# Altium PCB PCB2.PcbDoc
Units mil, origin at the board's own origin, x right, y up, seen from the top; angles counter-clockwise.
Board outline 1968.5 x 1968.5 mil, 2 copper layers (Top Layer, Bottom Layer); 57 components, 41 nets, 214 pads, 41 vias.
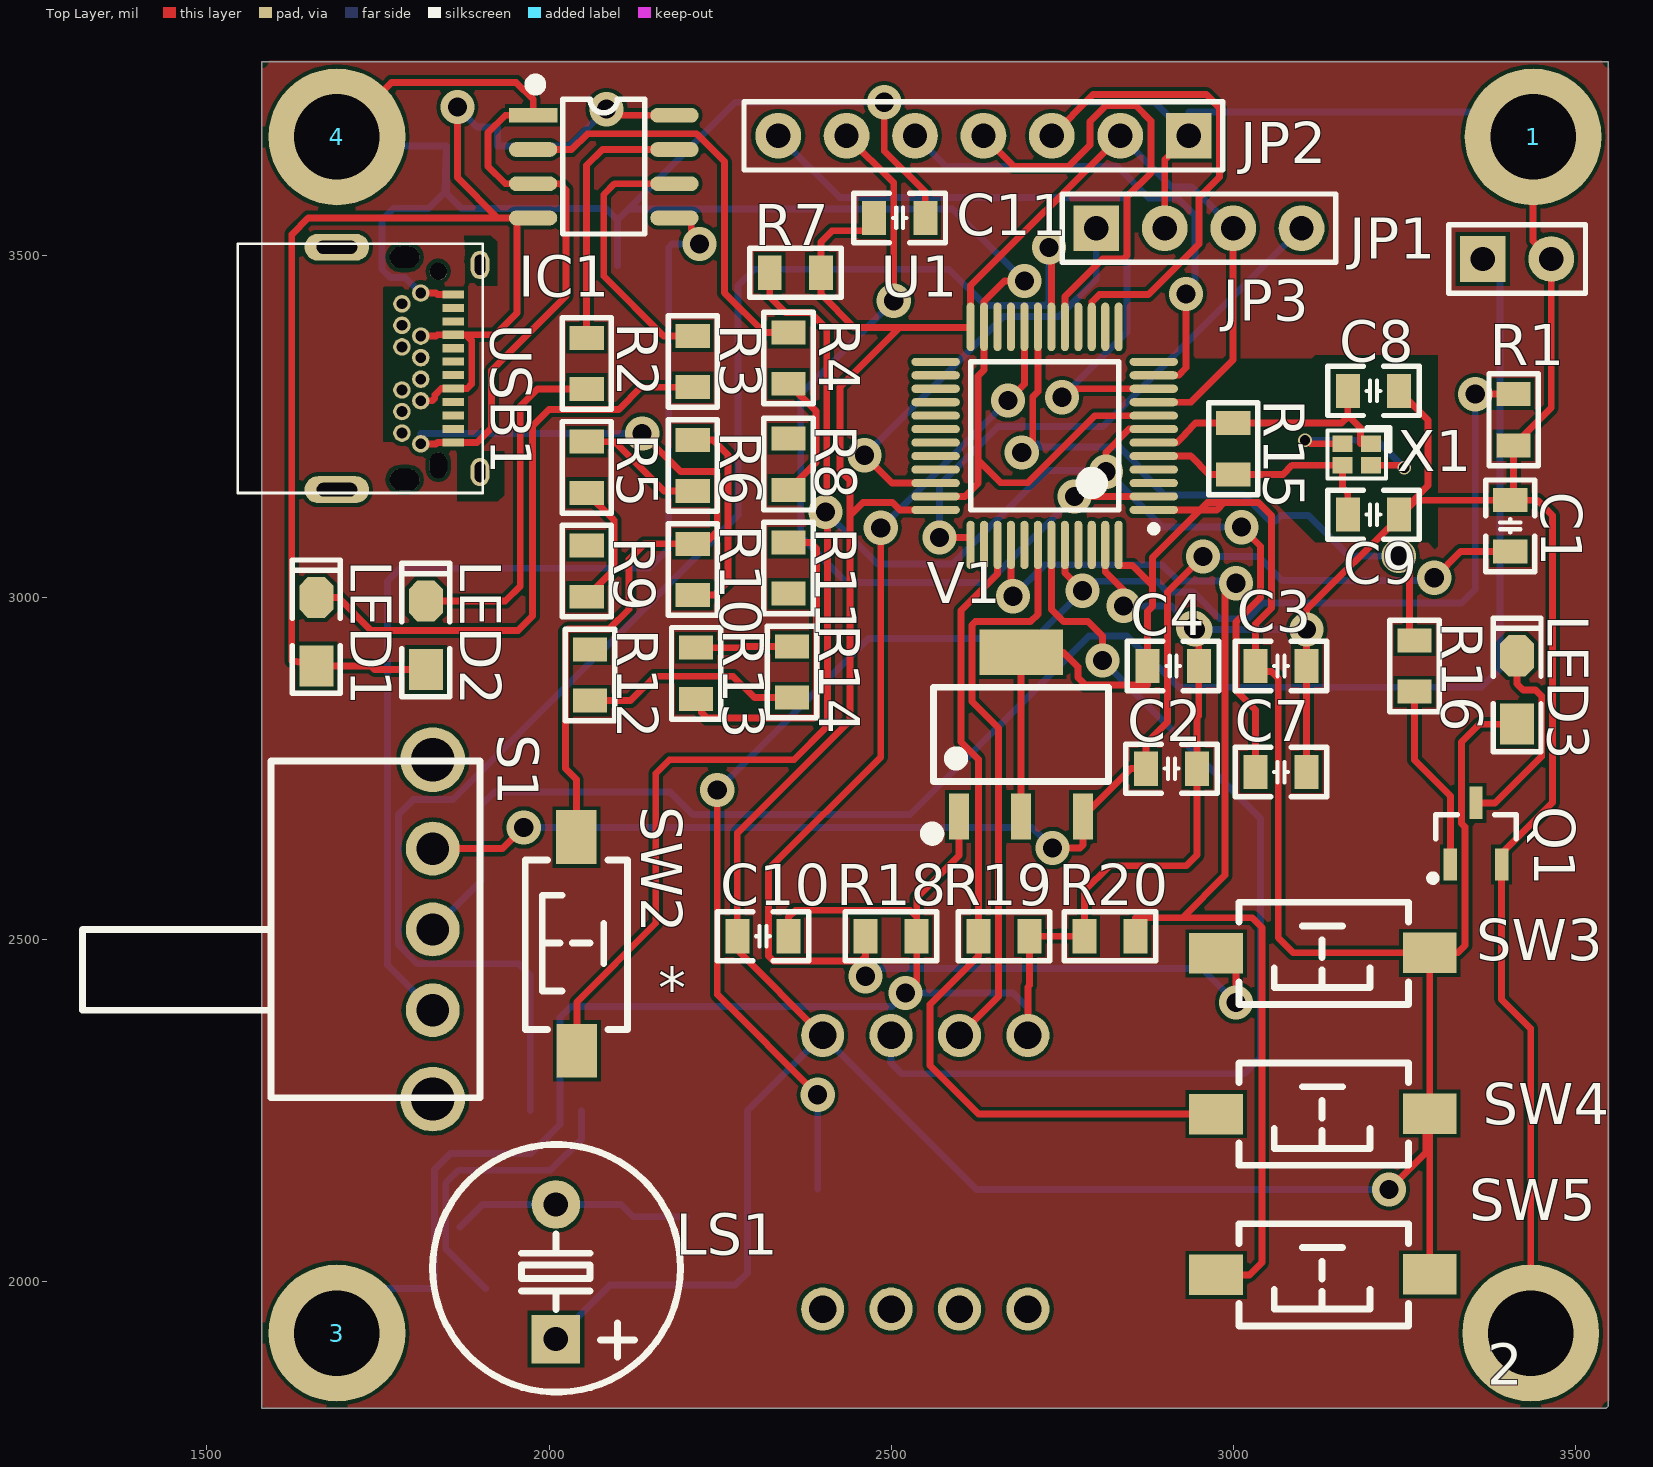
[diagram p0: Top Layer view]
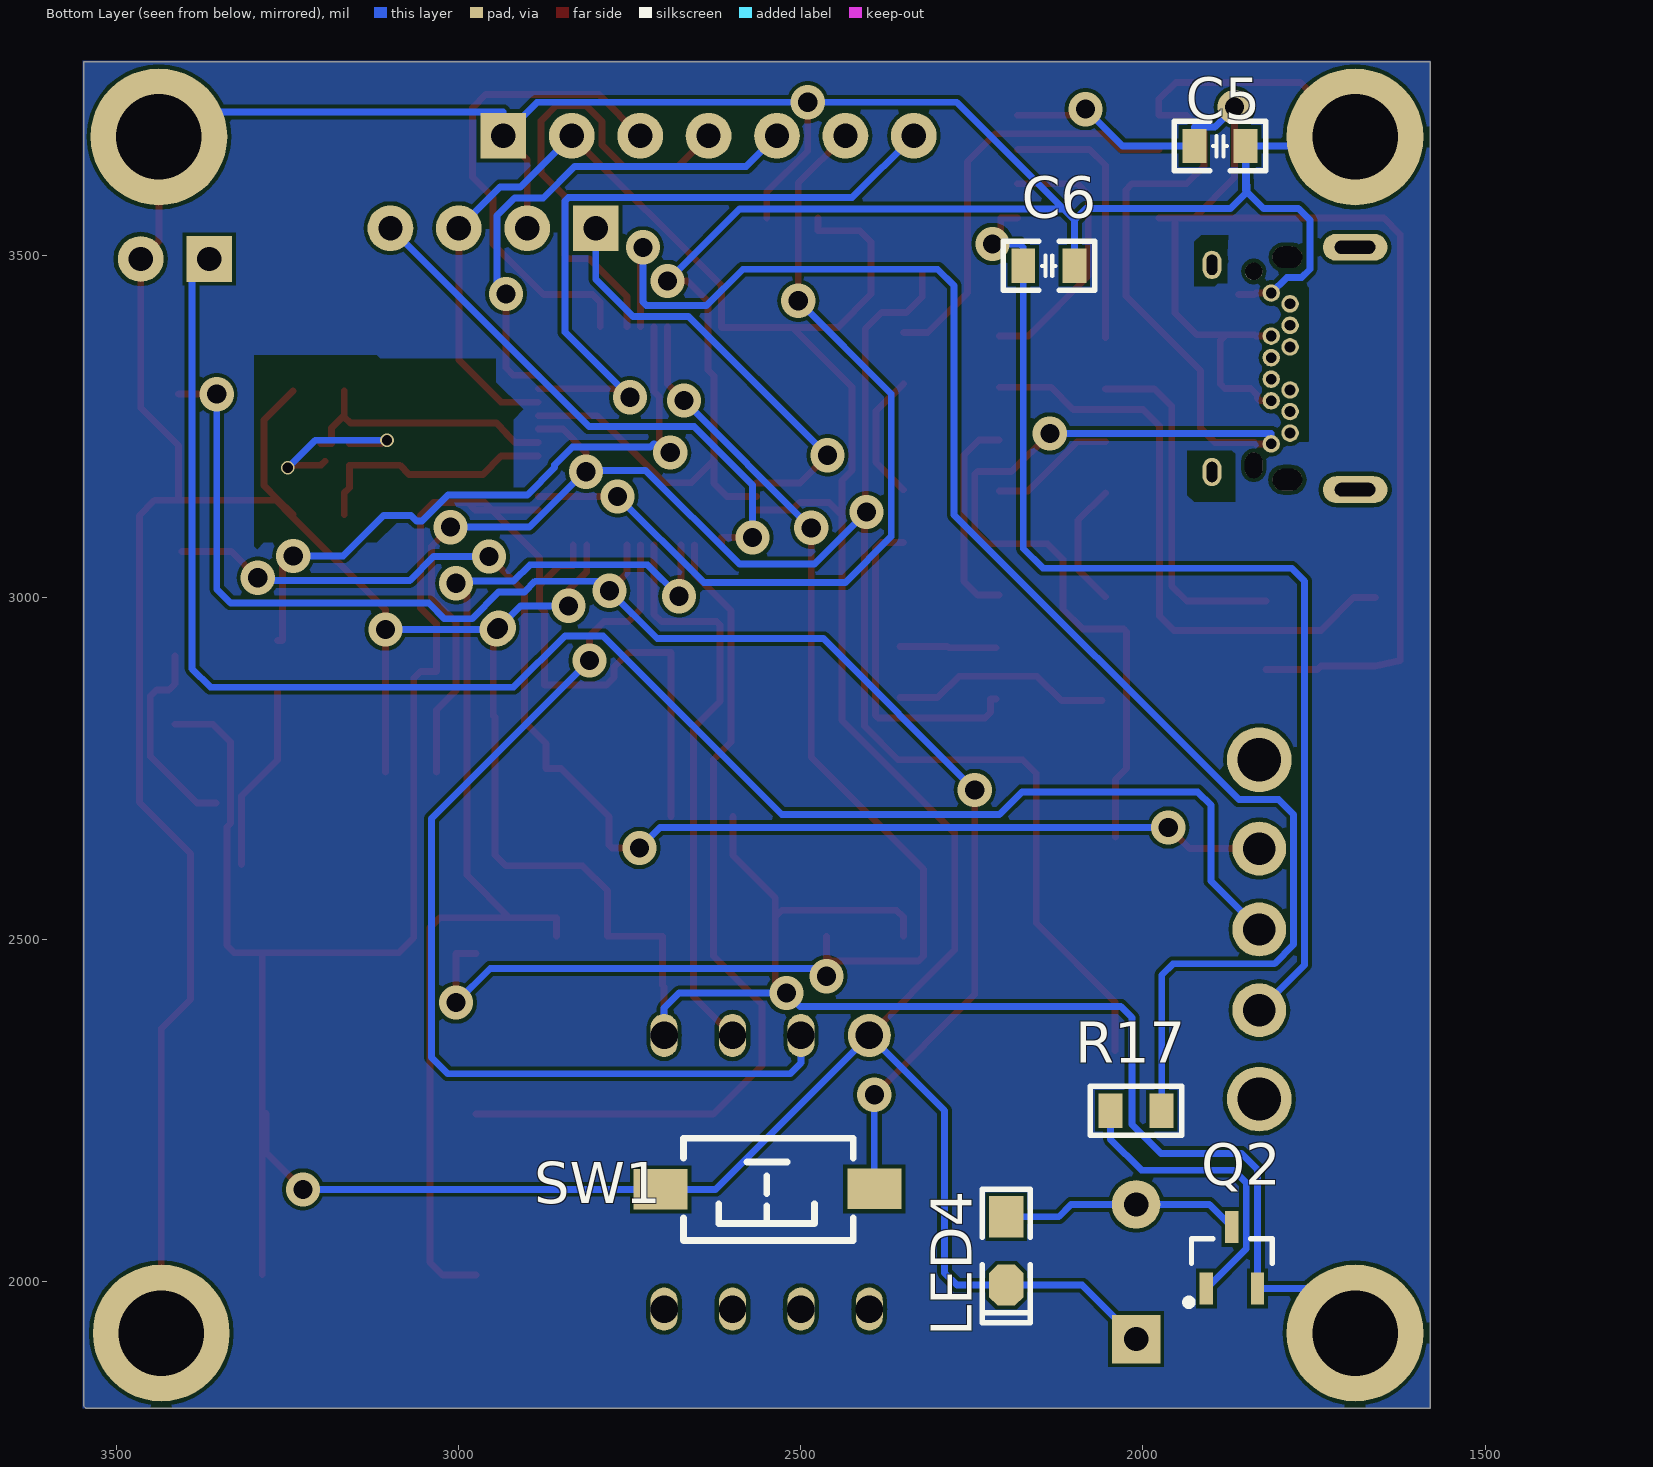
[diagram p1: Bottom Layer view, seen from below]

## Layer stack, top to bottom
Top Solder: solder mask 0.4, Solder Resist, Dk 3.5
Top Layer: signal copper 1.4
Dielectric 1: dielectric 12.6, FR-4, Dk 4.8
Bottom Layer: signal copper 1.4
Bottom Solder: solder mask 0.4, Solder Resist, Dk 3.5

## Board outline
1580,1815 3545,1815 3548.5,1818.5 3548.5,3783.5 1580,3783.5

## Design rules (kind name [scope] priority, off if disabled: settings)
Clearance [All] p1: gap=5.91 ignorepadtopadclearanceinfootprint=FALSE
PolygonConnect [All] p1: connectstyle=Relief reliefconductorwidth=10 reliefentries=4 polygonreliefangle="90 Angle" airgapwidth=10
RoutingVias [All] p1: holewidth=28 width=50 viastyle="Through Hole" minholewidth=28 minwidth=50 maxholewidth=28 maxwidth=50
SolderMaskExpansion [All] p1: expansion=4 istentingtop=FALSE
UnRoutedNet [All] p1: checkbadconnections=TRUE
Width [All] p1: maxlimit=10 minlimit=0.39 preferedwidth=10
29 further rules are at their usual default settings.

## Components (designator, comment, footprint, x,y, rotation, side; value= is the part's Value field where it differs from the comment)
1 "M3" "M3 125X200"#1 3548.5,3783.5 r90 top
2 "M3" "M3 125X200"#2 3545,1815 r90 top
3 "M3" "M3 125X200"#3 1580,1815 r90 top
4 "M3" "M3 125X200"#4 1580,3783.5 r90 top
* "MAX30102" MAX30102 2550,2160 r90 top
C1 "104" "C 0805_L" 3405,3105 r90 top
C2 "104" "C 0805_L" 2910,2750 r0 top
C3 "104" "C 0805_L" 3070,2900 r0 top
C4 "104" "C 0805_L" 2912.4,2900 r0 top
C5 "104" "C 0805_L" 1887.4,3660 r180 bottom
C6 "104" "C 0805_L" 2137.6,3485 r0 bottom
C7 "104" "C 0805_L" 3070,2745 r0 top
C8 "104" "C 0805_L" 3205,3302.2 r0 top
C9 "104" "C 0805_L" 3205,3121.29 r180 top
C10 "104" "C 0805_L" 2312.6,2505 r0 top
C11 "104" "C 0805_L" 2512.6,3555 r0 top
IC1 "TP4056" SOP8_N 2080,3630 r0 top
JP1 "HDR-1X2" HDR2.54-LI-2P 3415,3495 r0 top
JP2 "HDR-1X7" HDR2.54-LI-7P 2635,3675 r180 top
JP3 "HDR-1X4" HDR2.54-M-LI-4P 2950,3540 r0 top
LED1 "绿色" "LED 0805G" 1660,2950 r90 top
LED2 "红色" "LED 0805G" 1820,2945 r90 top
LED3 "红色" "LED 0805G" 3415,2865 r90 top
LED4 "红色" "LED 0805G" 2200,2045 r270 bottom
LS1 "DC5V" "BEEP 5x9x5.5" 2010,2014.61 r0 top
Q1 "S9014" SOT23-3N 3355,2655 r0 top
Q2 "S9014" SOT23-3N 1870,2035 r180 bottom
R1 "1K" "R 0805_L" 3410,3260 r90 top
R2 "1K" "R 0805_L" 2055,3342.4 r270 top
R3 "1K" "R 0805_L" 2210,3345 r270 top
R4 "1K" "R 0805_L" 2350,3350 r270 top
R5 "1K" "R 0805_L" 2055,3190.53 r270 top
R6 "1K" "R 0805_L" 2210,3193.13 r90 top
R7 "1K" "R 0805_L" 2360,3475 r180 top
R8 "1K" "R 0805_L" 2350,3195 r90 top
R9 "1K" "R 0805_L" 2055,3038.66 r90 top
R10 "1K" "R 0805_L" 2210,3041.26 r90 top
R11 "1K" "R 0805_L" 2350,3043.13 r90 top
R12 "1K" "R 0805_L" 2060,2886.79 r270 top
R13 "1K" "R 0805_L" 2215,2889.4 r90 top
R14 "1K" "R 0805_L" 2355,2891.26 r90 top
R15 "10M" "R 0805_L" 3000,3217.6 r270 top
R16 "10M" "R 0805_L" 3265,2900 r90 top
R17 "10M" "R 0805_L" 2010,2250 r180 bottom
R18 "10M" "R 0805_L" 2500,2505 r0 top
R19 "10M" "R 0805_L" 2665,2505 r0 top
R20 "10M" "R 0805_L" 2820,2505 r180 top
S1 "SS-12F23" SS-12F23 1830,2515 r180 top
SW1 "3x6x5" "TSW SMD-3*6*2.5" 2550,2135 r0 bottom
SW2 "3x6x5" "TSW SMD-3*6*2.5" 2040,2495 r90 top
SW3 "3x6x5" "TSW SMD-3*6*2.5" 3130,2480 r180 top
SW4 "3x6x5" "TSW SMD-3*6*2.5" 3130,2245 r180 top
SW5 "3x6x5" "TSW SMD-3*6*2.5" 3130,2010 r180 top
U1 "STM32L151C8T6" LQFP48_N 2724.45,3236.42 r180 top
USB1 "USB-C" USB-C/S_A 1720,3335 r270 top
V1 "AMS1117-3V3" SOT223_L 2690,2800 r0 top
X1 "26M" "OSC 1612-4P" 3180.67,3209.25 r180 top

## Footprints (in the part's own frame and the unit in brackets; to place one, negate y for a bottom-side part, rotate by r counter-clockwise, add the part's x,y. Pads: shape width x height; smd on the part's side, far side on the other; paste and mask are expansions set on the pad)
"BEEP 5x9x5.5" [mm] "5*9*5.5mm(脚距,直径,高度)"
  rect 1.8x1.8 hole 0.9: 1(0,-2.5)
  round 1.8 hole 0.9: 2(0,2.5)
  silkscreen extent -4.58,-4.47 4.62,4.72, body extent -4.5,-4.5 4.5,4.5, height 5.45
"C 0805_L" [mil] "无极性贴片电容"
  rect 35x50 smd: 1(-37.4,0) 2(37.4,0)
  silkscreen extent -67,-36 67,36, body extent -39,-24 39,24, height 20
HDR2.54-LI-2P [mm]
  rect 1.7x1.7 hole 0.9: 1(-1.27,0)
  round 1.7 hole 0.9: 2(1.27,0)
  silkscreen extent -2.54,-1.27 2.54,1.27, body extent -2.54,-1.27 2.54,1.27, height 8.5
HDR2.54-LI-7P [mm] "排针，8脚"
  rect 1.7x1.7 hole 0.9: 1(-7.62,0)
  round 1.7 hole 0.9: 2(-5.08,0) 3(-2.54,0) 4(0,0) 5(2.54,0) 6(5.08,0) 7(7.62,0)
  silkscreen extent -8.89,-1.27 8.89,1.27, body extent -8.89,-1.27 8.89,1.27, height 8.5
HDR2.54-M-LI-4P [mm] "排母，4脚"
  rect 1.7x1.7 hole 0.9: 1(-3.81,0)
  round 1.7 hole 0.9: 2(-1.27,0) 3(1.27,0) 4(3.81,0)
  silkscreen extent -5.08,-1.27 5.08,1.27, body extent -5.08,-1.27 5.08,1.27, height 8.5
"LED 0805G" [mil] "绿色0805LED https://item.taobao.com/item.htm?ft=t&id=613637044352"
  rect 60x50 smd: 1(-50,0)
  oct 60x50 smd: 2(50,0)
  silkscreen extent -90,-35 105,35, body extent -39,-25 39,25, height 32
LQFP48_N [mm] "Thin QFP, 48-Leads, Body 7x7mm, Pitch 0.5mm, IPC Medium Density"
  oval 1.8x0.3 smd: 1(-4.05,2.75) 2(-4.05,2.25) 3(-4.05,1.75) 4(-4.05,1.25) 5(-4.05,0.75) 6(-4.05,0.25) 7(-4.05,-0.25) 8(-4.05,-0.75) 9(-4.05,-1.25) 10(-4.05,-1.75) 11(-4.05,-2.25) 12(-4.05,-2.75) 25(4.05,-2.75) 26(4.05,-2.25) 27(4.05,-1.75) 28(4.05,-1.25) 29(4.05,-0.75) 30(4.05,-0.25) 31(4.05,0.25) 32(4.05,0.75) 33(4.05,1.25) 34(4.05,1.75) 35(4.05,2.25) 36(4.05,2.75)
  oval 0.3x1.8 smd: 13(-2.75,-4.05) 14(-2.25,-4.05) 15(-1.75,-4.05) 16(-1.25,-4.05) 17(-0.75,-4.05) 18(-0.25,-4.05) 19(0.25,-4.05) 20(0.75,-4.05) 21(1.25,-4.05) 22(1.75,-4.05) 23(2.25,-4.05) 24(2.75,-4.05) 37(2.75,4.05) 38(2.25,4.05) 39(1.75,4.05) 40(1.25,4.05) 41(0.75,4.05) 42(0.25,4.05) 43(-0.25,4.05) 44(-0.75,4.05) 45(-1.25,4.05) 46(-1.75,4.05) 47(-2.25,4.05) 48(-2.75,4.05)
  silkscreen extent -4.18,-2.75 2.75,3.57, body extent -3.5,-3.5 3.5,3.5, height 1.6
"M3 125X200"#1 [mil] "M3螺丝孔，孔125Mil，焊盘200Mil"
  round 200 hole 125: 1(-110,110)
"M3 125X200"#2 [mil] "M3螺丝孔，孔125Mil，焊盘200Mil"
  round 200 hole 125: 1(110,110)
"M3 125X200"#3 [mil] "M3螺丝孔，孔125Mil，焊盘200Mil"
  round 200 hole 125: 1(110,-110)
"M3 125X200"#4 [mil] "M3螺丝孔，孔125Mil，焊盘200Mil"
  round 200 hole 125: 1(-110,-110)
MAX30102 [mm]
  round 1.6 / inner oval 1.6x1 / far side oval 1.6x1 hole 1.02: 1(-5.08,3.81) 2(-5.08,1.27) 3(-5.08,-1.27) 4(-5.08,-3.81) 6(5.08,1.27) 7(5.08,-1.27) 8(5.08,-3.81)
  round 1.6 hole 1.02: 5(5.08,3.81)
"OSC 1612-4P" [mm] "1.6*1.2*0.35mm（长宽高）https://item.taobao.com/item.htm?ft=t&id=613637044352"
  rect 0.75x0.6 smd: 1(-0.525,-0.4) 2(0.525,-0.4) 3(0.525,0.4) 4(-0.525,0.4)
  silkscreen extent -1.22,-0.99 1.09,0.89, body extent -0.8,-0.6 0.8,0.6, height 0.35
"R 0805_L" [mil] "1/8W贴片电阻   https://item.taobao.com/item.htm?ft=t&id=613637044352"
  rect 35x50 smd: 1(-37.4,0) 2(37.4,0)
  silkscreen extent -67,-36 67,36, body extent -39,-25 39,25, height 20
SOP8_N [mm] "5*6*1.8mm（长宽高）淘宝ID:小糖豆的小窝窝"
  rect 1.8x0.55 smd: 1(-2.625,1.905)
  oval 1.8x0.55 smd: 2(-2.625,0.635) 3(-2.625,-0.635) 4(-2.625,-1.905) 5(2.625,-1.905) 6(2.625,-0.635) 7(2.625,0.635) 8(2.625,1.905)
  silkscreen extent -2.69,-2.5 1.52,3.2, body extent -3,-2.5 3,2.5, height 1.9
SOT23-3N [mm] "3x1.3x1mm(长宽高)"
  rect 0.5x1.2 smd: 1(-0.95,-1.143) 2(0.95,-1.143) 3(0,1.143)
  silkscreen extent -1.72,-1.78 1.5,0.7, body extent -1.5,-1.2 1.5,1.2, height 1.05
SOT223_L [mm] "6.4x7x1.6mm(长宽高)"
  rect 0.75x1.7 smd: 1(-2.3,-3.048) 2(0,-3.048) 3(2.3,-3.048)
  rect 3.1x1.7 smd: 2(0,3.048)
  silkscreen extent -3.5,-3.88 3.25,1.75, body extent -3.25,-3.51 3.25,3.51, height 1.65
SS-12F23 [mm] "脚距3mm"
  round 2.4 hole 1.6: 0(0,6.3) 0(0,-6.3)
  round 2 hole 1.2: 1(0,3) 2(0,0) 3(0,-3)
  silkscreen extent -1.75,-6.25 13,6.25, body extent -0.61,-6.52 12.29,6.48, height 5.75
"TSW SMD-3*6*2.5" [mm] "3*6*2.5mm"
  rect 2x1.5 smd: 1(-3.996,-0.02) 2(3.937,0)
  silkscreen extent -3.21,-1.9 3.09,1.9, body extent -4,-1.88 4,1.62, height 2.59
USB-C/S_A [mm]
  oval 1x2.4 hole 0.5 slot 1.5 at 90 deg: 0(-4.5,-0.765) 0(4.5,-0.765)
  oval 0.8x1.1 hole 0.8 slot 1.1 at 90 deg: 0(-4.13,1.75) 0(4.13,1.75)
  oval 1.05x0.7 hole 0.4 slot 0.75 at 0 deg: 0(-3.845,4.55) 0(3.845,4.55)
  rect 0.3x0.8 smd: A1(-2.75,3.56) A2(-2.25,3.56) A3(-1.75,3.56) A4(-1.25,3.56) A5(-0.75,3.56) A6(-0.25,3.56) A7(0.25,3.56) A8(0.75,3.56) A9(1.25,3.56) A10(1.75,3.56) A11(2.25,3.56) A12(2.75,3.56)
  round 0.65 hole 0.4: B1(2.8,2.35) B2(2.4,1.65) B3(1.6,1.65) B4(1.2,2.35) B5(0.8,1.65) B6(0.4,2.35) B7(-0.4,2.35) B8(-0.8,1.65) B9(-1.2,2.35) B10(-1.6,1.65) B11(-2.4,1.65) B12(-2.8,2.35)
  round 0.65 hole 0.65: N(-3.6,3)
  oval 0.95x0.65 hole 0.65 slot 0.95 at 0 deg: N(3.6,3)
  silkscreen extent -4.62,-4.45 4.62,4.65, body extent -4.62,-4.45 4.63,4.65, height 3.35

## Part data
1 2 3 4: "铜柱孔", BOM名称=铜柱孔, 下单链接=https://item.taobao.com/item.htm?ft=t&id=613637044352, 淘宝ID=小糖豆的小窝窝
C1 C2 C3 C4 C5 C6 C7 C8 C9 C10 C11: library part C, "贴片电容", BOM名称=贴片电容, 下单链接=https://item.taobao.com/item.htm?ft=t&id=613637044352, 淘宝ID=小糖豆的小窝窝
IC1: "锂电池充电管理", BOM名称=锂电池充电管理, 下单链接=https://item.taobao.com/item.htm?ft=t&id=613637044352, 淘宝ID=小糖豆的小窝窝
JP1: library part "Header 2", "2P接插件", BOM名称=2P接插件, 下单链接=https://item.taobao.com/item.htm?ft=t&id=613637044352, 淘宝ID=小糖豆的小窝窝
JP2: library part "Header 7", "7P接插件", BOM名称=7P接插件, 下单链接=https://item.taobao.com/item.htm?ft=t&id=613637044352, 淘宝ID=小糖豆的小窝窝
JP3: library part "Header 4", "4P接插件", BOM名称=4P接插件, 下单链接=https://item.taobao.com/item.htm?ft=t&id=613637044352, 淘宝ID=小糖豆的小窝窝
LED1 LED2 LED3 LED4: library part LED-SMD, "贴片LED", BOM名称=贴片LED, 下单链接=https://item.taobao.com/item.htm?ft=t&id=613637044352, 淘宝ID=小糖豆的小窝窝
LS1: library part BEEP, "有源蜂鸣器", BOM名称=有源蜂鸣器, 下单链接=https://item.taobao.com/item.htm?ft=t&id=613637044352, 淘宝ID=小糖豆的小窝窝
Q1 Q2: library part 9014-SMD, "低噪放大-NPN型", BOM名称=低噪放大-NPN型, 下单链接=https://item.taobao.com/item.htm?ft=t&id=613637044352, 淘宝ID=小糖豆的小窝窝
R1 R2 R3 R4 R5 R6 R7 R8 R9 R10 R11 R12 R13 R14 R15 R16 R17 R18 R19 R20: library part R, "贴片电阻", BOM名称=贴片电阻, 下单链接=https://item.taobao.com/item.htm?ft=t&id=613637044352, 淘宝ID=小糖豆的小窝窝
S1: library part SSW-1P, "1路波动开关", BOM名称=1路波动开关, 下单链接=https://item.taobao.com/item.htm?ft=t&id=613637044352, 淘宝ID=小糖豆的小窝窝
SW1 SW2 SW3 SW4 SW5: library part "TSW 3x6", "3x6轻触开关", BOM名称=3x6轻触开关, 下单链接=https://item.taobao.com/item.htm?ft=t&id=613637044352, 淘宝ID=小糖豆的小窝窝
U1: "STM32L ARM-based EnergyLite 32-bit MCU, 64 kB Flash, 10 kB Internal RAM, -40 to +85癈 Temperature, 48-pin LQFP, Tray", 下单链接=https://item.taobao.com/item.htm?ft=t&id=613637044352, 淘宝ID=小糖豆的小窝窝
USB1: library part USB-C/S, "USB-C型母接口", BOM名称=USB-C型母接口, 下单链接=https://item.taobao.com/item.htm?ft=t&id=613637044352, 淘宝ID=小糖豆的小窝窝
V1: library part AMS1117, "三端稳压芯片", BOM名称=三端稳压芯片, 下单链接=https://item.taobao.com/item.htm?ft=t&id=613637044352, 淘宝ID=小糖豆的小窝窝
X1: library part XTAL-4P, "4脚无源晶振", BOM名称=4脚无源晶振, 下单链接=https://item.taobao.com/item.htm?ft=t&id=613637044352, 淘宝ID=小糖豆的小窝窝

## Via types
v1: diameter 50, hole 28, Top Layer to Bottom Layer, 39 vias
v2: diameter 20, hole 15, Top Layer to Bottom Layer, 2 vias

## Nets (pads, with @x,y where several pads share a name; then routed paths per layer and width w, separated by ;. In a path a pad name is that pad's centre, name@x,y a point inside that pad or via, vN(x,y) a via of type N, cw(c..) or ccw(c..) an arc to the next point about the centre after c; other vN are vias at no path point)
3.3V: *.5 C3.1 C4.1 C10.1 C11.1 JP2.2 JP3.3 LED3.1 LED4.2 LS1.1 R7.1 SW1.2 SW3.1 SW4.1 SW5.1 U1.1 U1.9 U1.24 U1.36 U1.48 V1.2 | length 7310.7
  Top Layer w10: *.5 2275.2,2484.8 C10.1 2275.2,2656 2439.91,2820.71 2439.91,3120 ; C11.1 2475.2,3536.25 2413.65,3536.25 2397.4,3520 R7.1 2397.4,3443.5 2445.91,3395 2512,3395 ; U1.36 2513,3128.15 2502.3,3138.85 2458.76,3138.85 2439.91,3120 ; V1.2@2690,2680 2690,2920 2752,2920 2773.09,2898.91 2773.09,2883 2784,2872.09 2875,2872.09 C4.1 2875,2980 2881.99,2986.99 2881.99,3017.72 ; U1.48 2832.72,3047 2852.71,3047 2881.99,3017.72 ; JP2.2 2616.18,3456.18 U1.24 2616.18,3395 2512,3395 ; U1.1 2951.43,3128.15 ; U1.9 2938.33,3285.63 3000,3347.3 JP3.3 ; v1(3228,2135) 3282,2189 3282,2245.79 SW4.1 ; SW5.1 SW4.1 ; LED3.1 3360,2815 3334,2789 3334,2670 3339,2665 3339,2491.79 3328,2480.79 SW3.1 ; 2439.91,3120 2439.91,3170.86 2425.09,3185.67 2425.09,3308.09 2512,3395 ; 2881.99,3017.72 2881.99,3058.71 2951.43,3128.15 ; 2951.43,3128.15 2976.09,3128.15 2986.85,3138.91 ; 2951.43,3128.15 2962.19,3138.91 2986.85,3138.91 ; 2986.85,3138.91 3036.91,3138.91 3055.81,3120 3055.81,2985 3032.6,2961.78 C3.1 3032.6,2892 3056,2892 3066,2882 3066,2502.79 3088,2480.79 SW3.1 ; SW4.1 SW3.1
  Bottom Layer w10: LS1.1 2088.81,1995 LED4.2 2272,1995 2290,2013 2290,2250 *.5 2625,2135 SW1.2 v1(3228,2135) ; JP2.2 2909.72,3600.28 2939.72,3600.28 JP3.3
4v: C1.1 C2.1 S1.3 V1.3 | length 1965.8
  Top Layer w10: S1.3 1932.11,2633.11 v1(1963,2664) ; v1(2736,2634) 2776,2634 2780.55,2638.55 V1.3 2850.55,2750 C2.1 2872.6,2787 2904,2818.4 2904,3008 v1(2956,3060) ; v1(3294,3029) 3332.6,3067.6 C1.1
  Bottom Layer w10: v1(1963,2664) 2706,2664 v1(2736,2634) ; v1(2956,3060) 3036.81,3060 3071.72,3025.09 3290.09,3025.09 v1(3294,3029)
bat+: C6.2 IC1.5 S1.1 | length 1640.3
  Top Layer w10: IC1.5 2208,3555 2208,3529 v1(2220,3517)
  Bottom Layer w10: S1.1 1763.82,2463.07 1763.82,3024 1782.82,3043 2146,3043 2175,3072 C6.2 2175,3512 2180,3517 v1(2220,3517)
BEEP: R17.2 U1.18 | length 2298.7
  Top Layer w10: v1(2731,3512) 2734.29,3508.71 U1.18
  Bottom Layer w10: R17.2 1972.6,2448 1955.88,2464.72 1808,2464.72 1779.72,2493 1779.72,2683 1801.61,2704.88 1859.88,2704.88 2276,3121 2276,3456 2300,3480 2585,3480 2638,3427 2726,3427 2731,3432 v1(2731,3512)
BUTTON0: R18.1 SW3.2 U1.20 | length 1948.3
  Top Layer w10: v1(2462.6,2446.5) 2462.6,2475.6 ; R18.1 2462.6,2475.6 ; v1(2485,3102) 2485,2767 2321,2603 2321,2476 2328,2469 2456,2469 2462.6,2475.6 ; v1(2670.92,3288) 2694.92,3312 U1.20 ; SW3.2 3004,2480 v1(3004,2408)
  Bottom Layer w10: v1(2462.6,2446.5) 2474,2457.91 2954.09,2457.91 v1(3004,2408) ; v1(2485,3102) 2670.92,3287.92 v1(2670.92,3288)
BUTTON1: R19.1 SW4.2 U1.39 | length 1270.3
  Top Layer w10: U1.39 2655.55,3034.55 2602.16,2981.16 2602.16,2789.16 2627.6,2763.73 R19.1 2627.6,2476.19 2557,2405.6 2557,2316 2628,2245 SW4.2
BUTTON2: R20.1 SW5.2 U1.40 | length 1735.5
  Top Layer w10: U1.40 2675.24,3004.76 v1(2678,3002) ; R20.1 2857.4,2532 2926,2532 ; SW5.2 3024,2010 3042,2028 3042,2518 3028,2532 2926,2532 ; v1(3004,3021) 2988.28,3005.28 2988.28,2594.28 2926,2532
  Bottom Layer w10: v1(2678,3002) 2724,3048 2896.19,3048 2920.09,3024.09 3000.91,3024.09 v1(3004,3021)
GND: 1.1 2.1 3.1 4.1 *.8 C1.2 C2.2 C3.2 C4.2 C5.2 C6.1 C7.2 C8.2 C9.1 C10.2 C11.2 IC1.1 IC1.3 JP1.2 JP2.1 JP3.2 Q1.2 Q2.2 R1.1 R10.2 R18.2 R19.2 R20.2 SW2.2 U1.8 U1.23 U1.35 U1.47 USB1.A1 USB1.A12 USB1.B1 USB1.B12 V1.1 | length 12273.1
  Top Layer w10: 4.1 1769.5,3753 1952,3753 1977,3728 1977,3705 IC1.1 1936,3705 1911,3680 1911,3630 1936,3605 IC1.3 2016,3605 2025,3596 2025,3441 1916,3332 1916,3248 1894.73,3226.73 USB1.A12 1836.97,3226.73 1835,3224.76 USB1.B1 ; USB1.B12 1835,3445.24 1836.97,3443.27 USB1.A1 ; SW2.2 2040,2734 2024,2750 2024,2950 2028,2954 2088,2954 2117,2983 2117,3056 2139.66,3078.66 R10.2 2227,3078.66 2245.91,3097.57 2245.91,3180 2241.78,3184.13 2192,3184.13 v1(2136.13,3240) ; C10.2 2350,2533 2360,2543 2528,2543 2537.4,2533.6 ; v1(2490,3724) 2490,3653 2550,3593 C11.2 ; v1(2521,2422) 2537.4,2438.4 R18.2 2537.4,2533.6 ; U1.35 2608,3147.83 2627.02,3166.85 2627.02,3200.82 ; V1.1 2599.45,2623.05 2537.4,2561 2537.4,2533.6 ; v1(2695,3463) 2666,3463 2635.87,3432.87 U1.23 2635.87,3332.76 2627.02,3323.91 2627.02,3200.82 ; *.8 2700,2431 2702.4,2433.4 R19.2 2742,2505 R20.2 2782.6,2571.6 2819,2608 2931.4,2608 2947.4,2624 C2.2 2947.4,2825.41 2949.8,2827.81 C4.2 2949.8,2948 v1(2944.62,2953.19) v1(2941.8,2956) ; U1.47 2813.03,3037.91 2839.8,3011.13 v1(2839.8,2988) ; U1.8 2797.94,3265.94 2700,3168 2659.83,3168 2627.02,3200.82 ; JP3.2 2900,3640 JP2.1 ; C7.2 C3.2 v1(3107.4,2953.19) 3107.4,2982.4 C9.1@3244.35,3119.35 ; C8.2 3285,3259.6 3285,3163.89 3265.45,3144.34 C9.1 C9.1@3244.35,3119.35 ; 2.1 3435,2370 3392.4,2412.6 Q1.2 3392.4,2626 3467,2700.6 3467,3120 3444.6,3142.4 C1.2@3410,3142.4 ; 1.1 3438.5,3521.5 JP1.2 3465,3277.59 R1.1 C1.2@3410,3142.4 ; C9.1@3244.35,3119.35 3267.4,3142.4 C1.2 C1.2@3410,3142.4
  Bottom Layer w10: 3.1 1755,1990 Q2.2 1832.6,2164.2 1856,2187.6 1973.6,2187.6 2016,2230 2016,2386 2032.4,2402.4 2501.4,2402.4 v1(2521,2422) 2678,2422 2700,2400 *.8 ; 4.1 1703.5,3660 C5.2 ; USB1.B1 1812.52,3240 v1(2136.13,3240) ; USB1.B12 1789.76,3468 1768,3468 1756,3480 1756,3552 1773,3569 1824,3569 1848,3593 ; C6.1 2100.2,3552 ; v1(2695,3463) 2590,3568 2116.2,3568 ; v1(2839.8,2988) 2909.8,2988 v1(2941.8,2956) ; v1(2944.62,2953.19) v1(3107.4,2953.19) ; 1.1 3402.01,3710 2935,3710 JP2.1 2886,3724 v1(2490,3724) 2272.2,3724 2116.2,3568 ; 1848,3593 1850,3595 C5.2 ; 1848,3593 1872,3569 2083.2,3569 2100.2,3552 ; 1848,3593 C5.2 ; 2100.2,3552 2116.2,3568
iic_scl: *.7 U1.42 | length 844.1
  Top Layer w10: *.7 2657,2417 2657,2809.07 2618.07,2848 2618.07,2960 2623.07,2965 2704,2965 2714.61,2975.61 U1.42
iic_sda: *.6 U1.43 | length 1493.3
  Top Layer w10: U1.43 2734.29,2982.71 2752,2965 2788,2965 2809,2944 v1(2809,2908)
  Bottom Layer w10: *.6 2500,2320 2516,2304 3016,2304 3040,2328 3040,2677 v1(2809,2908)
LED0: R16.2 U1.19 | length 964.2
  Top Layer w10: v1(2691,3212) 2707,3228 2707,3293.39 2714.61,3301 U1.19 ; v1(3242,3061) 3258,3045 3258,2937.4 R16.2
  Bottom Layer w10: v1(2691,3212) 2701.82,3212 2714.82,3225 2719.82,3220 2834.14,3220 2860,3194.14 2860,3190 2900,3150 3015.78,3150 3053.75,3112.03 3062.03,3112.03 3070,3120 3110,3120 3169,3061 v1(3242,3061)
NetC8_1: C8.1 R15.1 U1.6 X1.1 | length 402.3
  Top Layer w10: U1.6 2884.24,3226.92 2917.86,3226.92 2930.24,3239.3 2930.24,3240.24 2945,3255 R15.1 3158.6,3255 3167.6,3264 3167.6,3266.4 ; C8.1 3167.6,3266.4 ; X1.1 3186,3225 3186,3248 3167.6,3266.4
NetC9_2: C9.2 R15.2 U1.5 X1.3 | length 368
  Top Layer w10: U1.5 2938.11,3206.89 2964.8,3180.2 R15.2 3073,3180.2 3086.31,3193.5 X1.3 3160,3160.6 3167.6,3153 C9.2
NetIC1_2: IC1.2 R4.1 | length 615.7
  Top Layer w10: IC1.2 2033,3655 2056,3678 2216,3678 2256.41,3637.59 2256.41,3445.59 2314.6,3387.4 R4.1
NetIC1_6: IC1.6 R3.1 | length 395.3
  Top Layer w10: IC1.6 2096,3605 2080,3589 2080,3470 2167.6,3382.4 R3.1
NetIC1_7: IC1.7 R2.1 | length 390.1
  Top Layer w10: R2.1 2055,3632 2078,3655 IC1.7
NetJP1_1: JP1.1 S1.2 | length 2496.3
  Bottom Layer w10: S1.2 1900.63,2585.63 1900.63,2696.63 1920,2716 2177,2716 2210,2683 2528,2683 2789,2944 2845,2944 2920,2869 3363,2869 3390,2896 3390,3495 JP1.1
NetLED1_2: LED1.2 R3.2 | length 880
  Top Layer w10: LED1.2 1692,3000 1740,2952 1955,2952 1976,2973 1976,3251 2000,3275 2102,3275 2134.6,3307.6 R3.2
NetLED2_2: LED2.2 R2.2 | length 517.5
  Top Layer w10: LED2.2 1936,2995 1958,3017 1958,3280 1983,3305 R2.2
NetLED3_2: LED3.2 Q1.3 | length 296.6
  Top Layer w10: Q1.3 3383,2700 3451,2768 3451,2856 3442,2865 3424,2865 3415,2874 LED3.2
NetLED4_1: LED4.1 LS1.2 Q2.3 | length 351.2
  Bottom Layer w10: Q2.3 1903.04,2113.04 LS1.2 2105,2113.04 2123.04,2095 LED4.1
NetQ1_1: Q1.1 R16.1 | length 274.4
  Top Layer w10: R16.1 3265,2762.59 3317.6,2710 Q1.1
NetQ2_1: Q2.1 R17.1 | length 445.1
  Bottom Layer w10: Q2.1 1849,2048.4 1849,2144 1868,2163 2002.4,2163 2047.4,2208 R17.1
NetR1_2: R1.2 SW1.1 U1.44 | length 2337.5
  Top Layer w10: v1(2246,2719) 2246,2420 v1(2392.69,2273.31) ; U1.44 2753.98,3036.02 v1(2780,3010) ; v1(3354,3297.4) R1.2
  Bottom Layer w10: v1(2246,2719) 2467,2940 2710,2940 v1(2780,3010) 2794,3024 2888.38,3024 2904.19,3008.19 2941.81,3008.19 2980.91,2969.09 3020.77,2969.09 3044,2992.32 3333.49,2992.32 3354,3012.83 v1(3354,3297.4) ; SW1.1 v1(2392.69,2273.31)
NetR4_2: R4.2 R8.1 | length 188.1
  Top Layer w10: R8.1 2390,3197.59 2390,3272.6 R4.2
NetR5_1: R5.1 R6.1 | length 184.9
  Top Layer w10: R5.1 2096,3227.94 2168.21,3155.73 R6.1
NetR5_2: R5.2 R9.1 | length 185
  Top Layer w10: R9.1 2095,3041.25 2095,3113.13 R5.2
NetR6_2: R6.2 R10.1 | length 305.8
  Top Layer w10: R10.1 2241.86,3003.86 2261.82,3023.82 2261.82,3208.71 2240,3230.53 R6.2
NetR11_2: R11.2 R13.1 | length 489.5
  Top Layer w10: R13.1 2223,2851.99 2223,2832 2231,2824 2387,2824 2391,2828 2391,3072 2382.47,3080.53 R11.2
NetR12_2: R12.2 R14.1 | length 322.7
  Top Layer w10: R12.2 2119,2849.4 2154.6,2885 2269,2885 2300.14,2853.86 R14.1
NetR13_2: R13.2 R14.2 | length 140.8
  Top Layer w10: R13.2 2284,2926.79 2285.87,2928.66 R14.2
NetX1_2: X1.2 X1.4 | length 277
  Top Layer w10: v2(3105,3230) 3107.71,3230 3112.71,3225 X1.2 ; X1.4@3195.51,3199.33 X1.4 3243.79,3193.5 3247.29,3190 v2(3250,3190)
  Bottom Layer w10: v2(3105,3230) 3210,3230 v2(3250,3190)
OLED_RES: JP2.5 U1.11 | length 737.3
  Top Layer w10: U1.11 2920,3325 2931,3336 v1(2931,3444)
  Bottom Layer w10: JP2.5 2580,3630 2831,3630 2876.63,3584.37 2918.38,3584.37 2944.37,3558.38 2944.37,3457.37 v1(2931,3444)
res: C7.1 R7.2 SW2.1 U1.7 | length 2693.2
  Top Layer w10: SW2.1 2040.79,2409 2156,2524.21 2156,2743 2176,2763 2358,2763 2407,2812 2407,3122 v1(2404,3125) 2406,3127 2406,3393 2382,3417 2345.6,3417 2322.6,3440 R7.2 ; v1(2814,3184.09) 2814,3212.26 2848,3246.26 U1.7 ; v1(3012,3103) 3039.91,3075.09 3039.91,3000 3004.19,2964.28 3004.19,2864 3032.6,2835.59 C7.1
  Bottom Layer w10: v1(2404,3125) 2480,3049 2590,3049 2727,3186 2795.91,3186 2797.81,3184.09 v1(2814,3184.09) ; v1@2814,3186 2897,3103 v1(3012,3103)
SPI_CLK: JP2.3 U1.15 | length 717.4
  Top Layer w10: JP2.3 2795.28,3735.28 2960.72,3735.28 2980,3716 2980,3615 2950,3585 2950,3517 2876,3443 2804.35,3443 2793.35,3432 U1.15
SPI_CS: JP2.7 U1.10 | length 1014.7
  Top Layer w10: v1(2750,3293) 2762.32,3305.32 U1.10
  Bottom Layer w10: JP2.7 2425,3585 2840,3585 2845,3580 2845,3388 v1(2750,3293)
SPI_DC: JP2.6 U1.2 | length 1266.8
  Top Layer w10: JP2.6 2504,3606 v1(2504,3434) ; v1(2768,3148) 2768.17,3147.83 U1.2
  Bottom Layer w10: v1(2504,3434) 2368,3298 2368,3089 2435,3022 2642,3022 v1(2768,3148)
SPI_MOSI: JP2.4 U1.17 | length 701.6
  Top Layer w10: JP2.4 2680,3630 2759,3630 2790.63,3661.63 2790.63,3696 2814,3719.37 2857.63,3719.37 2880,3697 2880,3621 2845,3586 2845,3500 2840.44,3495.44 2809.44,3495.44 2753.98,3439.98 U1.17
SWDCLK: JP3.4 U1.37 | length 817.8
  Top Layer w10: v1(2570.83,3088) 2616.18,3088 U1.37
  Bottom Layer w10: v1(2570.83,3088) 2570.83,3164.83 2656,3250 2810,3250 JP3.4
SWDIO: JP3.1 U1.34 | length 640.8
  Top Layer w10: v1(2461,3208) 2501.48,3167.52 U1.34
  Bottom Layer w10: v1(2461,3208) 2664.09,3411.09 2745.3,3411.09 2800,3465.79 JP3.1
vin: C5.1 IC1.4 IC1.8 LED1.1 LED2.1 USB1.A4 USB1.A8 USB1.B4 USB1.B9 | length 2213.2
  Top Layer w10: USB1.B4 1828.76,3287.76 1833,3292 1833,3296 1842.47,3305.47 USB1.A8 1880.47,3305.47 1887,3312 1887,3376 1878.79,3384.21 ; USB1.B9 1835,3382.24 1836.97,3384.21 USB1.A4 1878.79,3384.21 ; LED2.1 1745,2895 1740,2900 LED1.1 1624,2908 1624,3531 1648,3555 1925,3555 ; v1(1866,3717) 1866,3614 1925,3555 ; IC1.4 IC1.4@1953,3555 ; v1(2084,3714) 2084,3709 2088,3705 IC1.8 ; 1878.79,3384.21 1921,3384.21 1953,3416.21 IC1.4@1953,3555 ; 1925,3555 IC1.4@1953,3555
  Bottom Layer w10: v1(1866,3717) 1895,3688 1924.8,3688 C5.1 2030,3660 v1(2084,3714)
pads on no net: *.1 *.2 *.3 *.4 R8.2 R9.2 R11.1 R12.1 S1.0 U1.3 U1.4 U1.12 U1.13 U1.14 U1.16 U1.21 U1.22 U1.25 U1.26 U1.27 U1.28 U1.29 U1.30 U1.31 U1.32 U1.33 U1.38 U1.41 U1.45 U1.46 USB1.0 USB1.A2 USB1.A3 USB1.A5 USB1.A6 USB1.A7 USB1.A9 USB1.A10 USB1.A11 USB1.B2 USB1.B3 USB1.B5 USB1.B6 USB1.B7 USB1.B8 USB1.B10 USB1.B11 USB1.N

## Polygon pours and split planes (outlines as drawn)
no net on Top Layer "NONET_L01_P001" (solid, pour order 1): 1580,3785 1580,1820 1585,1815 3550,1815 3550,3785
no net on Bottom Layer "NONET_L02_P000" (solid, pour order 0): 1580,3785 1580,1815 3550,1815 3550,3785

## Other copper
Top Layer:
  pour cut-out: 1884.3,3499.41 1887.78,3502.89 1887.78,3504.62 1889.51,3504.62 1892.99,3508.1 1905.28,3508.1
Multi-Layer:
  pour cut-out: 3120,3355 3115,3350 2945,3350 2945,3315 2905,3275 2920,3260 2920,3147.83 3052.17,3147.83 3120,3080 3125,3080 3125,3345 3135,3355
  pour cut-out: 3120,3350 3125,3345 3125,3080 3285,3080 3295,3070 3300,3075 3300,3355 3120,3355
  pour cut-out: 1789.39,3446.84 1789.39,3451.22 1786.1,3454.51 1786.1,3454.89 1758.8,3454.89 1757.11,3453.2 1757.11,3228.8 1758.8,3227.11 1770.15,3227.11 1772.82,3229.78 1772.82,3232.98 1769.91,3235.9 1769.91,3245.13 1774.32,3249.54 1774.32,3251.16 1775.47,3251.16 1777.8,3253.48 1777.8,3259.04 1776.64,3259.04 1771.05,3264.63 1771.05,3270.86 1769.91,3272.01 1774.32,3276.42 1774.32,3282.65 1774.97,3282.65 1778.01,3285.69 1777.8,3285.91 1777.8,3290.53 1776.64,3290.53 1769.91,3297.27 1769.91,3309.74 1777.58,3317.41 1783.81,3317.41 1784.96,3318.56 1786.11,3317.41 1791.49,3317.41 1793.04,3315.86 1796.05,3318.87 1797.54,3318.87 1797.54,3323.94 1801.88,3328.28 1801.88,3329.9 1803.03,3329.9 1805.36,3332.22 1805.36,3337.78 1804.2,3337.78 1798.61,3343.37 1798.61,3350.07 1794.54,3354.14 1792.27,3354.14 1790.72,3352.59 1777.58,3352.59 1771.05,3359.11 1771.05,3365.35 1769.91,3366.5 1771.05,3367.64 1771.05,3372.72 1778.01,3379.68 1778.01,3384.31 1777.35,3384.31 1771.05,3390.61 1771.05,3403.75 1774.32,3407.02 1774.32,3412.11 1778.01,3415.8 1777.8,3416.02 1777.8,3416.52 1776.64,3416.52 1769.91,3423.25 1769.91,3434.1 1774.32,3438.51 1774.32,3440.13 1775.94,3440.13 1780.35,3444.54 1787.08,3444.54
  pour cut-out: 1875,3530 1877.11,3502.9 1875,3490 1877.11,3487.89 1877.11,3459.17 1890.83,3459.17 1895,3455 1925,3455 1925,3520 1915,3530
  pour cut-out: 1865,3140 1865,3210 1870,3215 1935,3215 1935,3150 1925,3140

## Silkscreen, mask and mechanical layers (free items; w line width, h text height)
Mechanical 1:
  lines w19.68: 3545,1815 1580,1815 1580,3783.5 3548.5,3783.5 ; 3548.5,1818.5 3548.5,3787.01

## Dimensions
3550,3785 to 3550,1815 on Top Layer
1580,3785 to 3550,3785 on Top Layer